# Altium PCB PCB1.PcbDoc (part 3 of 15) (continued)
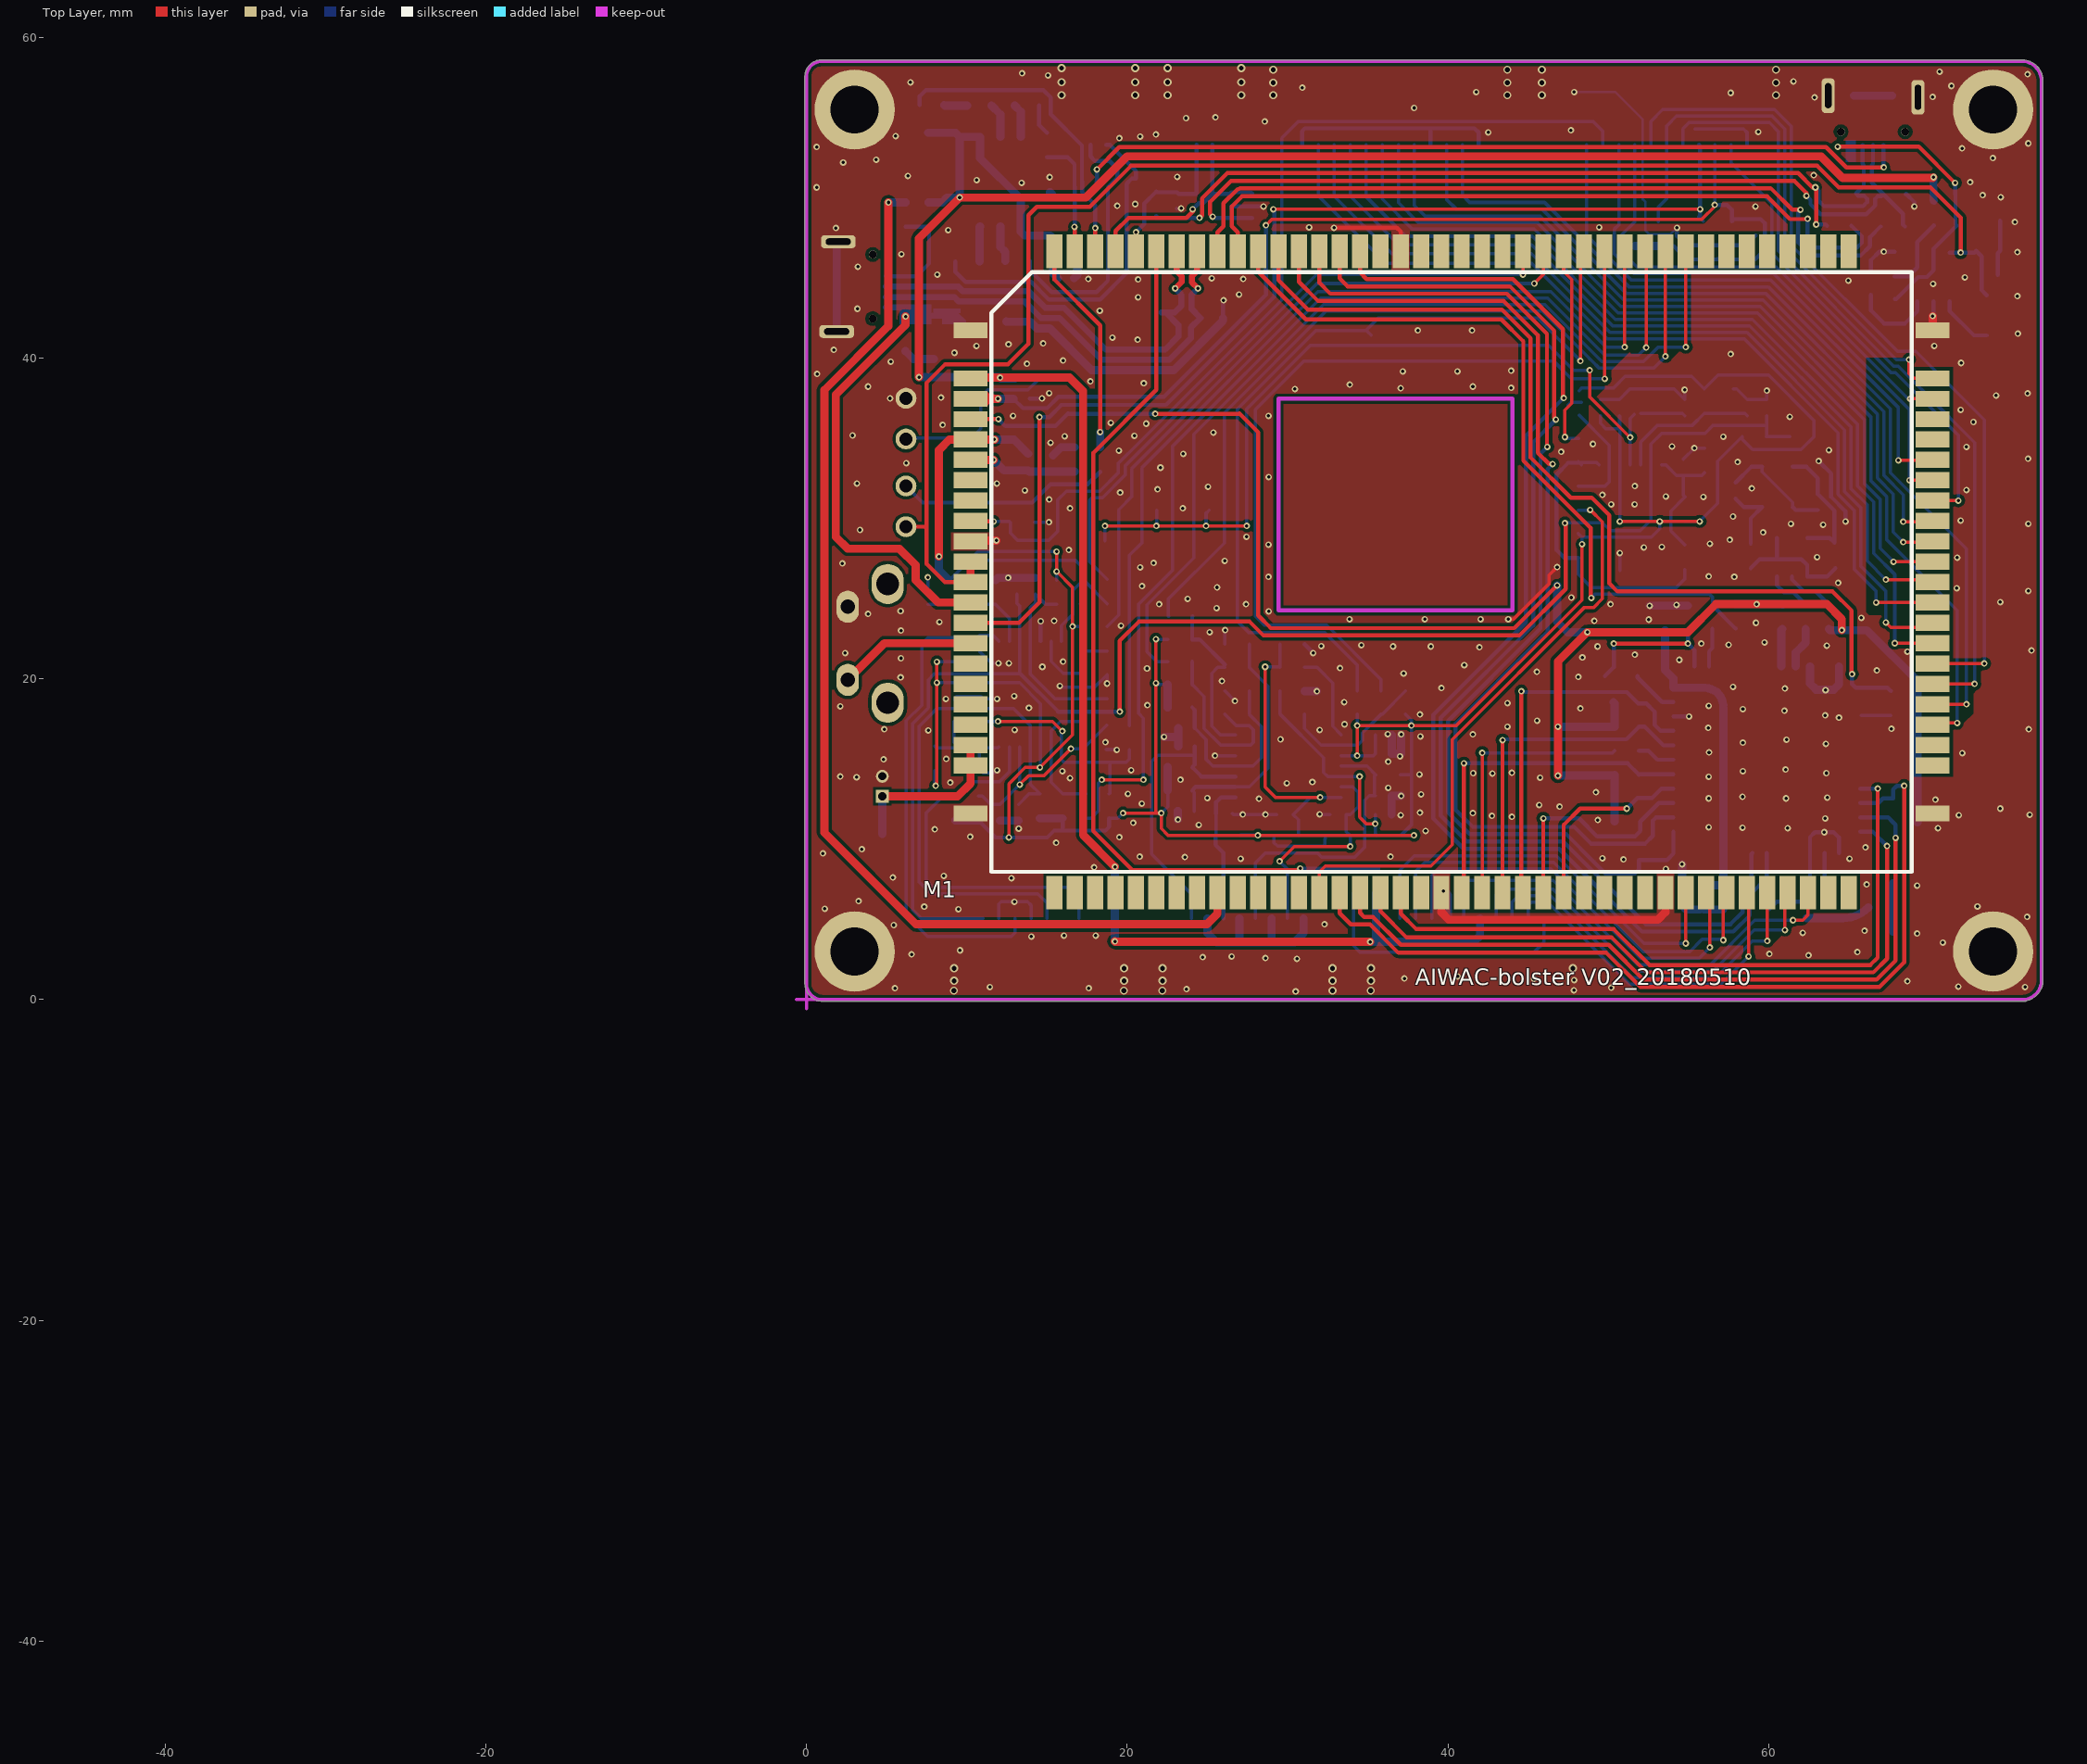
[diagram p0: Top Layer view]
## Free pads (board coordinates) (continued)
1(-45.257,-43.983) 1(-45.257,-43.983) 1(-45.256,-44.012) 1(-45.256,-44.012) 1(-45.256,-44.012) 1(-45.256,-44.012) 1(-45.256,-44.012) 1(-45.256,-44.012) 1(-45.256,-44.01) 1(-45.256,-44.01) 1(-45.256,-44.01) 1(-45.256,-44.01) 1(-45.256,-44.01) 1(-45.256,-44.01) 1(-45.256,-44.015) 1(-45.256,-44.015) 1(-45.256,-44.015) 1(-45.256,-44.015) 1(-45.256,-44.015) 1(-45.256,-44.015) 1(-45.256,-44.014) 1(-45.256,-44.014) 1(-45.256,-44.014) 1(-45.256,-44.014) 1(-45.256,-44.014) 1(-45.256,-44.014) 1(-45.256,-44.008) 1(-45.256,-44.008) 1(-45.256,-44.008) 1(-45.256,-44.008) 1(-45.256,-44.008) 1(-45.256,-44.008) 1(-45.256,-44.007) 1(-45.256,-44.007) 1(-45.256,-44.007) 1(-45.256,-44.007) 1(-45.256,-44.007) 1(-45.256,-44.007) 1(-45.256,-44.006) 1(-45.256,-44.006) 1(-45.256,-44.006) 1(-45.256,-44.006) 1(-45.256,-44.006) 1(-45.256,-44.006) 1(-45.256,-44.005) 1(-45.256,-44.005) 1(-45.256,-44.005) 1(-45.256,-44.005) 1(-45.256,-44.005) 1(-45.256,-44.005) 1(-45.251,-43.967) 1(-45.251,-43.967) 1(-45.251,-43.967) 1(-45.251,-43.971) 1(-45.251,-43.971) 1(-45.251,-43.971) 1(-45.25,-43.971) 1(-45.25,-43.971) 1(-45.25,-43.971) 1(-45.25,-43.971) 1(-45.25,-43.971) 1(-45.25,-43.971) 1(-45.25,-43.97) 1(-45.25,-43.97) 1(-45.25,-43.97) 1(-45.248,-43.971) 1(-45.248,-43.971) 1(-45.248,-43.971) 1(-45.248,-43.971) 1(-45.248,-43.971) 1(-45.248,-43.971) 1(-45.248,-43.97) 1(-45.248,-43.97) 1(-45.248,-43.97) 1(-45.247,-44.02) 1(-45.247,-44.02) 1(-45.247,-44.02) 1(-45.247,-43.971) 1(-45.247,-43.971) 1(-45.247,-43.971) 1(-45.246,-44.022) 1(-45.246,-44.022) 1(-45.246,-44.022) 1(-45.246,-44.02) 1(-45.246,-44.02) 1(-45.246,-44.02) 1(-45.246,-44.02) 1(-45.246,-44.02) 1(-45.246,-44.02) 1(-45.246,-43.998) 1(-45.246,-43.998) 1(-45.246,-43.998) 1(-45.246,-43.998) 1(-45.246,-43.998) 1(-45.246,-43.998) 1(-45.246,-43.997) 1(-45.246,-43.997) 1(-45.246,-43.997) 1(-45.246,-43.996) 1(-45.246,-43.996) 1(-45.246,-43.996) 1(-45.246,-43.995) 1(-45.246,-43.995) 1(-45.246,-43.995) 1(-45.246,-43.995) 1(-45.246,-43.995) 1(-45.246,-43.995) 1(-45.246,-43.995) 1(-45.246,-43.995) 1(-45.246,-43.995) 1(-45.246,-43.995) 1(-45.246,-43.995) 1(-45.246,-43.995) 1(-45.246,-43.994) 1(-45.246,-43.994) 1(-45.246,-43.994) 1(-45.246,-43.993) 1(-45.246,-43.993) 1(-45.246,-43.993) 1(-45.246,-43.992) 1(-45.246,-43.992) 1(-45.246,-43.992) 1(-45.246,-43.992) 1(-45.246,-43.992) 1(-45.246,-43.992) 1(-45.246,-43.992) 1(-45.246,-43.992) 1(-45.246,-43.992) 1(-45.246,-43.992) 1(-45.246,-43.992) 1(-45.246,-43.992) 1(-45.246,-43.991) 1(-45.246,-43.991) 1(-45.246,-43.991) 1(-45.246,-43.99) 1(-45.246,-43.99) 1(-45.246,-43.99) 1(-45.246,-43.989) 1(-45.246,-43.989) 1(-45.246,-43.989) 1(-45.246,-43.989) 1(-45.246,-43.989) 1(-45.246,-43.989) 1(-45.246,-43.989) 1(-45.246,-43.989) 1(-45.246,-43.989) 1(-45.246,-43.989) 1(-45.246,-43.989) 1(-45.246,-43.989) 1(-45.246,-43.988) 1(-45.246,-43.988) 1(-45.246,-43.988) 1(-45.246,-43.987) 1(-45.246,-43.987) 1(-45.246,-43.987) 1(-45.246,-43.986) 1(-45.246,-43.986) 1(-45.246,-43.986) 1(-45.246,-43.986) 1(-45.246,-43.986) 1(-45.246,-43.986) 1(-45.245,-43.998) 1(-45.245,-43.998) 1(-45.245,-43.998) 1(-45.245,-43.998) 1(-45.245,-43.998) 1(-45.245,-43.998) 1(-45.245,-43.997) 1(-45.245,-43.997) 1(-45.245,-43.997) 1(-45.245,-43.996) 1(-45.245,-43.996) 1(-45.245,-43.996) 1(-45.245,-43.995) 1(-45.245,-43.995) 1(-45.245,-43.995) 1(-45.245,-43.995) 1(-45.245,-43.995) 1(-45.245,-43.995) 1(-45.245,-43.995) 1(-45.245,-43.995) 1(-45.245,-43.995) 1(-45.245,-43.995) 1(-45.245,-43.995) 1(-45.245,-43.995) 1(-45.245,-43.994) 1(-45.245,-43.994) 1(-45.245,-43.994) 1(-45.245,-43.993) 1(-45.245,-43.993) 1(-45.245,-43.993) 1(-45.245,-43.992) 1(-45.245,-43.992) 1(-45.245,-43.992) 1(-45.245,-43.992) 1(-45.245,-43.992) 1(-45.245,-43.992) 1(-45.245,-43.992) 1(-45.245,-43.992) 1(-45.245,-43.992) 1(-45.245,-43.992) 1(-45.245,-43.992) 1(-45.245,-43.992) 1(-45.245,-43.991) 1(-45.245,-43.991) 1(-45.245,-43.991) 1(-45.245,-43.99) 1(-45.245,-43.99) 1(-45.245,-43.99) 1(-45.245,-43.989) 1(-45.245,-43.989) 1(-45.245,-43.989) 1(-45.245,-43.989) 1(-45.245,-43.989) 1(-45.245,-43.989) 1(-45.245,-43.989) 1(-45.245,-43.989) 1(-45.245,-43.989) 1(-45.245,-43.989) 1(-45.245,-43.989) 1(-45.245,-43.989) 1(-45.245,-43.988) 1(-45.245,-43.988) 1(-45.245,-43.988) 1(-45.245,-43.987) 1(-45.245,-43.987) 1(-45.245,-43.987) 1(-45.245,-43.986) 1(-45.245,-43.986) 1(-45.245,-43.986) 1(-45.245,-43.986) 1(-45.245,-43.986) 1(-45.245,-43.986) 1(-45.245,-44.006) 1(-45.245,-44.006) 1(-45.245,-44.006) 1(-45.245,-44.004) 1(-45.245,-44.004) 1(-45.245,-44.004) 1(-45.245,-43.997) 1(-45.245,-43.997) 1(-45.245,-43.997) 1(-45.245,-43.997) 1(-45.245,-43.997) 1(-45.245,-43.997) 1(-45.245,-43.995) 1(-45.245,-43.995) 1(-45.245,-43.995) 1(-45.245,-43.994) 1(-45.245,-43.994) 1(-45.245,-43.994) 1(-45.245,-43.994) 1(-45.245,-43.994) 1(-45.245,-43.994) 1(-45.245,-43.993) 1(-45.245,-43.993) 1(-45.245,-43.993) 1(-45.245,-43.993) 1(-45.245,-43.993) 1(-45.245,-43.993) 1(-45.245,-43.995) 1(-45.245,-43.995) 1(-45.245,-43.995) 1(-45.244,-43.987) 1(-45.244,-43.987) 1(-45.244,-43.987) 1(-45.244,-43.987) 1(-45.244,-43.987) 1(-45.244,-43.987) 1(-45.244,-43.987) 1(-45.244,-43.987) 1(-45.244,-43.987) 1(-45.244,-43.987) 1(-45.244,-43.987) 1(-45.244,-43.987) 1(-45.244,-44.017) 1(-45.244,-44.017) 1(-45.244,-44.017) 1(-45.244,-44.017) 1(-45.244,-44.017) 1(-45.244,-44.017) 1(-45.244,-44.016) 1(-45.244,-44.016) 1(-45.244,-44.016) 1(-45.244,-44.016) 1(-45.244,-44.016) 1(-45.244,-44.016) 1(-45.244,-44.014) 1(-45.244,-44.014) 1(-45.244,-44.014) 1(-45.244,-44.014) 1(-45.244,-44.014) 1(-45.244,-44.014) 1(-45.244,-44.013) 1(-45.244,-44.013) 1(-45.244,-44.013) 1(-45.244,-44.013) 1(-45.244,-44.013) 1(-45.244,-44.013) 1(-45.244,-44.013) 1(-45.244,-44.013) 1(-45.244,-44.013) 1(-45.244,-44.013) 1(-45.244,-44.013) 1(-45.244,-44.013) 1(-45.244,-44.012) 1(-45.244,-44.012) 1(-45.244,-44.012) 1(-45.244,-44.012) 1(-45.244,-44.012) 1(-45.244,-44.012) 1(-45.244,-44.012) 1(-45.244,-44.012) 1(-45.244,-44.012) 1(-45.244,-44.012) 1(-45.244,-44.012) 1(-45.244,-44.012) 1(-45.244,-44.01) 1(-45.244,-44.01) 1(-45.244,-44.01) 1(-45.244,-44.01) 1(-45.244,-44.01) 1(-45.244,-44.01) 1(-45.244,-44.01) 1(-45.244,-44.01) 1(-45.244,-44.01) 1(-45.244,-44.01) 1(-45.244,-44.01) 1(-45.244,-44.01) 1(-45.244,-44.009) 1(-45.244,-44.009) 1(-45.244,-44.009) 1(-45.244,-44.009) 1(-45.244,-44.009) 1(-45.244,-44.009) 1(-45.244,-44.009) 1(-45.244,-44.009) 1(-45.244,-44.009) 1(-45.244,-44.009) 1(-45.244,-44.009) 1(-45.244,-44.009) 1(-45.244,-44.007) 1(-45.244,-44.007) 1(-45.244,-44.007) 1(-45.244,-44.007) 1(-45.244,-44.007) 1(-45.244,-44.007) 1(-45.244,-44.007) 1(-45.244,-44.007) 1(-45.244,-44.007) 1(-45.244,-44.007) 1(-45.244,-44.007) 1(-45.244,-44.007) 1(-45.244,-44.006) 1(-45.244,-44.006) 1(-45.244,-44.006) 1(-45.244,-44.006) 1(-45.244,-44.006) 1(-45.244,-44.006) 1(-45.244,-43.987) 1(-45.244,-43.987) 1(-45.244,-43.987) 1(-45.244,-43.987) 1(-45.244,-43.987) 1(-45.244,-43.987) 1(-45.243,-44.006) 1(-45.243,-44.006) 1(-45.243,-44.006) 1(-45.243,-44.006) 1(-45.243,-44.006) 1(-45.243,-44.006) 1(-45.243,-44.004) 1(-45.243,-44.004) 1(-45.243,-44.004) 1(-45.243,-44.004) 1(-45.243,-44.004) 1(-45.243,-44.004) 1(-45.243,-43.989) 1(-45.243,-43.989) 1(-45.243,-43.989) 1(-45.243,-43.989) 1(-45.243,-43.989) 1(-45.243,-43.989) 1(-45.243,-44.017) 1(-45.243,-44.017) 1(-45.243,-44.017) 1(-45.243,-44.016) 1(-45.243,-44.016) 1(-45.243,-44.016) 1(-45.243,-44.014) 1(-45.243,-44.014) 1(-45.243,-44.014) 1(-45.243,-44.013) 1(-45.243,-44.013) 1(-45.243,-44.013) 1(-45.243,-44.013) 1(-45.243,-44.013) 1(-45.243,-44.013) 1(-45.243,-44.012) 1(-45.243,-44.012) 1(-45.243,-44.012) 1(-45.243,-44.012) 1(-45.243,-44.012) 1(-45.243,-44.012) 1(-45.243,-44.01) 1(-45.243,-44.01) 1(-45.243,-44.01) 1(-45.243,-44.01) 1(-45.243,-44.01) 1(-45.243,-44.01) 1(-45.243,-44.009) 1(-45.243,-44.009) 1(-45.243,-44.009) 1(-45.243,-44.009) 1(-45.243,-44.009) 1(-45.243,-44.009) 1(-45.243,-44.007) 1(-45.243,-44.007) 1(-45.243,-44.007) 1(-45.243,-44.007) 1(-45.243,-44.007) 1(-45.243,-44.007) 1(-45.243,-44.006) 1(-45.243,-44.006) 1(-45.243,-44.006) 1(-45.243,-43.989) 1(-45.243,-43.989) 1(-45.243,-43.989) 1(-45.243,-43.989) 1(-45.243,-43.989) 1(-45.243,-43.989) 1(-45.243,-43.989) 1(-45.243,-43.989) 1(-45.243,-43.989) 1(-45.243,-43.989) 1(-45.243,-43.989) 1(-45.243,-43.989) 1(-45.243,-43.979) 1(-45.243,-43.979) 1(-45.243,-43.979) 1(-45.243,-43.979) 1(-45.243,-43.979) 1(-45.243,-43.979) 1(-45.243,-43.978) 1(-45.243,-43.978) 1(-45.243,-43.978) 1(-45.243,-43.977) 1(-45.243,-43.977) 1(-45.243,-43.977) 1(-45.243,-43.976) 1(-45.243,-43.976) 1(-45.243,-43.976) 1(-45.243,-43.976) 1(-45.243,-43.976) 1(-45.243,-43.976) 1(-45.242,-43.989) 1(-45.242,-43.989) 1(-45.242,-43.989) 1(-45.242,-43.989) 1(-45.242,-43.989) 1(-45.242,-43.989) 1(-45.242,-43.988) 1(-45.242,-43.988) 1(-45.242,-43.988) 1(-45.242,-43.987) 1(-45.242,-43.987) 1(-45.242,-43.987) 1(-45.242,-43.986) 1(-45.242,-43.986) 1(-45.242,-43.986) 1(-45.242,-43.986) 1(-45.242,-43.986) 1(-45.242,-43.986) 1(-45.242,-44.017) 1(-45.242,-44.017) 1(-45.242,-44.017) 1(-45.242,-44.016) 1(-45.242,-44.016) 1(-45.242,-44.016) 1(-45.242,-44.014) 1(-45.242,-44.014) 1(-45.242,-44.014) 1(-45.242,-44.013) 1(-45.242,-44.013) 1(-45.242,-44.013) 1(-45.242,-44.013) 1(-45.242,-44.013) 1(-45.242,-44.013) 1(-45.242,-44.012) 1(-45.242,-44.012) 1(-45.242,-44.012) 1(-45.242,-44.012) 1(-45.242,-44.012) 1(-45.242,-44.012) 1(-45.242,-44.01) 1(-45.242,-44.01) 1(-45.242,-44.01) 1(-45.242,-44.01) 1(-45.242,-44.01) 1(-45.242,-44.01) 1(-45.242,-44.009) 1(-45.242,-44.009) 1(-45.242,-44.009) 1(-45.242,-44.009) 1(-45.242,-44.009) 1(-45.242,-44.009) 1(-45.242,-44.007) 1(-45.242,-44.007) 1(-45.242,-44.007) 1(-45.242,-44.007) 1(-45.242,-44.007) 1(-45.242,-44.007) 1(-45.242,-44.006) 1(-45.242,-44.006) 1(-45.242,-44.006) 1(-45.241,-43.979) 1(-45.241,-43.979) 1(-45.241,-43.979) 1(-45.241,-43.979) 1(-45.241,-43.979) 1(-45.241,-43.979) 1(-45.241,-43.978) 1(-45.241,-43.978) 1(-45.241,-43.978) 1(-45.241,-43.977) 1(-45.241,-43.977) 1(-45.241,-43.977) 1(-45.241,-43.976) 1(-45.241,-43.976) 1(-45.241,-43.976) 1(-45.241,-43.976) 1(-45.241,-43.976) 1(-45.241,-43.976) 1(-45.241,-43.979) 1(-45.241,-43.979) 1(-45.241,-43.979) 1(-45.241,-43.979) 1(-45.241,-43.979) 1(-45.241,-43.979) 1(-45.241,-43.978) 1(-45.241,-43.978) 1(-45.241,-43.978) 1(-45.241,-43.977) 1(-45.241,-43.977) 1(-45.241,-43.977) 1(-45.241,-43.976) 1(-45.241,-43.976) 1(-45.241,-43.976) 1(-45.241,-43.976) 1(-45.241,-43.976) 1(-45.241,-43.976) 1(-45.241,-44.017) 1(-45.241,-44.017) 1(-45.241,-44.017) 1(-45.241,-44.017) 1(-45.241,-44.017) 1(-45.241,-44.017) 1(-45.241,-44.016) 1(-45.241,-44.016) 1(-45.241,-44.016) 1(-45.241,-44.016) 1(-45.241,-44.016) 1(-45.241,-44.016) 1(-45.241,-44.014) 1(-45.241,-44.014) 1(-45.241,-44.014) 1(-45.241,-44.014) 1(-45.241,-44.014) 1(-45.241,-44.014) 1(-45.241,-44.013) 1(-45.241,-44.013) 1(-45.241,-44.013) 1(-45.241,-44.013) 1(-45.241,-44.013) 1(-45.241,-44.013) 1(-45.241,-44.013) 1(-45.241,-44.013) 1(-45.241,-44.013) 1(-45.241,-44.013) 1(-45.241,-44.013) 1(-45.241,-44.013) 1(-45.241,-44.012) 1(-45.241,-44.012) 1(-45.241,-44.012) 1(-45.241,-44.012) 1(-45.241,-44.012) 1(-45.241,-44.012) 1(-45.241,-44.012) 1(-45.241,-44.012) 1(-45.241,-44.012) 1(-45.241,-44.012) 1(-45.241,-44.012) 1(-45.241,-44.012) 1(-45.241,-44.01) 1(-45.241,-44.01) 1(-45.241,-44.01) 1(-45.241,-44.01) 1(-45.241,-44.01) 1(-45.241,-44.01) 1(-45.241,-44.01) 1(-45.241,-44.01) 1(-45.241,-44.01) 1(-45.241,-44.01) 1(-45.241,-44.01) 1(-45.241,-44.01) 1(-45.241,-44.009) 1(-45.241,-44.009) 1(-45.241,-44.009) 1(-45.241,-44.009) 1(-45.241,-44.009) 1(-45.241,-44.009) 1(-45.241,-44.009) 1(-45.241,-44.009) 1(-45.241,-44.009) 1(-45.241,-44.009) 1(-45.241,-44.009) 1(-45.241,-44.009) 1(-45.241,-44.007) 1(-45.241,-44.007) 1(-45.241,-44.007) 1(-45.241,-44.007) 1(-45.241,-44.007) 1(-45.241,-44.007) 1(-45.241,-44.007) 1(-45.241,-44.007) 1(-45.241,-44.007) 1(-45.241,-44.007) 1(-45.241,-44.007) 1(-45.241,-44.007) 1(-45.241,-44.006) 1(-45.241,-44.006) 1(-45.241,-44.006) 1(-45.241,-44.006) 1(-45.241,-44.006) 1(-45.241,-44.006) 1(-45.241,-44.006) 1(-45.241,-44.006) 1(-45.241,-44.006) 1(-45.241,-44.004) 1(-45.241,-44.004) 1(-45.241,-44.004) 1(-45.241,-43.989) 1(-45.241,-43.989) 1(-45.241,-43.989) 1(-45.241,-43.989) 1(-45.241,-43.989) 1(-45.241,-43.989) 1(-45.241,-43.988) 1(-45.241,-43.988) 1(-45.241,-43.988) 1(-45.241,-43.987) 1(-45.241,-43.987) 1(-45.241,-43.987) 1(-45.241,-43.986) 1(-45.241,-43.986) 1(-45.241,-43.986) 1(-45.241,-43.986) 1(-45.241,-43.986) 1(-45.241,-43.986) 1(-45.241,-43.989) 1(-45.241,-43.989) 1(-45.241,-43.989) 1(-45.241,-43.989) 1(-45.241,-43.989) 1(-45.241,-43.989) 1(-45.241,-43.988) 1(-45.241,-43.988) 1(-45.241,-43.988) 1(-45.241,-43.987) 1(-45.241,-43.987) 1(-45.241,-43.987) 1(-45.241,-43.986) 1(-45.241,-43.986) 1(-45.241,-43.986) 1(-45.241,-43.986) 1(-45.241,-43.986) 1(-45.241,-43.986) 1(-45.241,-43.986) 1(-45.241,-43.986) 1(-45.241,-43.986) 1(-45.241,-44.002) 1(-45.241,-44.002) 1(-45.241,-44.002) 1(-45.241,-44.002) 1(-45.241,-44.002) 1(-45.241,-44.002) 1(-45.241,-44.002) 1(-45.241,-44.002) 1(-45.241,-44.002) 1(-45.24,-44.016) 1(-45.24,-44.016) 1(-45.24,-44.016) 1(-45.24,-44.016) 1(-45.24,-44.016) 1(-45.24,-44.016) 1(-45.24,-44.015) 1(-45.24,-44.015) 1(-45.24,-44.015) 1(-45.24,-43.997) 1(-45.24,-43.997) 1(-45.24,-43.997) 1(-45.24,-43.997) 1(-45.24,-43.997) 1(-45.24,-43.997) 1(-45.24,-43.993) 1(-45.24,-43.993) 1(-45.24,-43.993) 1(-45.24,-43.993) 1(-45.24,-43.993) 1(-45.24,-43.993) 1(-45.24,-43.979) 1(-45.24,-43.979) 1(-45.24,-43.979) 1(-45.24,-43.979) 1(-45.24,-43.979) 1(-45.24,-43.979) 1(-45.24,-43.978) 1(-45.24,-43.978) 1(-45.24,-43.978) 1(-45.24,-43.977) 1(-45.24,-43.977) 1(-45.24,-43.977) 1(-45.24,-43.976) 1(-45.24,-43.976) 1(-45.24,-43.976) 1(-45.24,-43.976) 1(-45.24,-43.976) 1(-45.24,-43.976) 1(-45.24,-43.999) 1(-45.24,-43.999) 1(-45.24,-43.999) 1(-45.24,-43.999) 1(-45.24,-43.999) 1(-45.24,-43.999) 1(-45.24,-43.993) 1(-45.24,-43.993) 1(-45.24,-43.993) 1(-45.24,-43.993) 1(-45.24,-43.993) 1(-45.24,-43.993) 1(-45.24,-43.989) 1(-45.24,-43.989) 1(-45.24,-43.989) 1(-45.24,-43.989) 1(-45.24,-43.989) 1(-45.24,-43.989) 1(-45.24,-43.999) 1(-45.24,-43.999) 1(-45.24,-43.999) 1(-45.24,-43.999) 1(-45.24,-43.999) 1(-45.24,-43.999) 1(-45.24,-43.989) 1(-45.24,-43.989) 1(-45.24,-43.989) 1(-45.24,-43.989) 1(-45.24,-43.989) 1(-45.24,-43.989) 1(-45.24,-43.988) 1(-45.24,-43.988) 1(-45.24,-43.988) 1(-45.24,-43.987) 1(-45.24,-43.987) 1(-45.24,-43.987) 1(-45.24,-43.986) 1(-45.24,-43.986) 1(-45.24,-43.986) 1(-45.24,-43.986) 1(-45.24,-43.986) 1(-45.24,-43.986) 1(-45.24,-43.986) 1(-45.24,-43.986) 1(-45.24,-43.986) 1(-45.24,-43.999) 1(-45.24,-43.999) 1(-45.24,-43.999) 1(-45.24,-43.999) 1(-45.24,-43.999) 1(-45.24,-43.999) 1(-45.24,-43.998) 1(-45.24,-43.998) 1(-45.24,-43.998) 1(-45.24,-43.997) 1(-45.24,-43.997) 1(-45.24,-43.997) 1(-45.24,-43.996) 1(-45.24,-43.996) 1(-45.24,-43.996) 1(-45.24,-43.996) 1(-45.24,-43.996) 1(-45.24,-43.996) 1(-45.24,-43.996) 1(-45.24,-43.996) 1(-45.24,-43.996) 1(-45.24,-43.996) 1(-45.24,-43.996) 1(-45.24,-43.996) 1(-45.24,-43.995) 1(-45.24,-43.995) 1(-45.24,-43.995) 1(-45.24,-43.994) 1(-45.24,-43.994) 1(-45.24,-43.994) 1(-45.24,-43.993) 1(-45.24,-43.993) 1(-45.24,-43.993) 1(-45.24,-43.993) 1(-45.24,-43.993) 1(-45.24,-43.993) 1(-45.239,-44.002) 1(-45.239,-44.002) 1(-45.239,-44.002) 1(-45.239,-44.002) 1(-45.239,-44.002) 1(-45.239,-44.002) 1(-45.239,-44.002) 1(-45.239,-44.002) 1(-45.239,-44.002) 1(-45.239,-44.002) 1(-45.239,-44.002) 1(-45.239,-44.002) 1(-45.239,-44.002) 1(-45.239,-44.002) 1(-45.239,-44.002) 1(-45.239,-44.002) 1(-45.239,-44.002) 1(-45.239,-44.002) 1(-45.239,-43.991) 1(-45.239,-43.991) 1(-45.239,-43.991) 1(-45.239,-43.991) 1(-45.239,-43.991) 1(-45.239,-43.991) 1(-45.239,-43.989) 1(-45.239,-43.989) 1(-45.239,-43.989) 1(-45.239,-43.989) 1(-45.239,-43.989) 1(-45.239,-43.989) 1(-45.239,-43.991) 1(-45.239,-43.991) 1(-45.239,-43.991) 1(-45.239,-43.991) 1(-45.239,-43.991) 1(-45.239,-43.991) 1(-45.239,-44.016) 1(-45.239,-44.016) 1(-45.239,-44.016) 1(-45.239,-43.989) 1(-45.239,-43.989) 1(-45.239,-43.989) 1(-45.239,-43.989) 1(-45.239,-43.989) 1(-45.239,-43.989) 1(-45.239,-43.991) 1(-45.239,-43.991) 1(-45.239,-43.991) 1(-45.239,-43.991) 1(-45.239,-43.991) 1(-45.239,-43.991) 1(-45.239,-43.989) 1(-45.239,-43.989) 1(-45.239,-43.989) 1(-45.239,-43.989) 1(-45.239,-43.989) 1(-45.239,-43.989) 1(-45.239,-44.02) 1(-45.239,-44.02) 1(-45.239,-44.02) 1(-45.239,-44.02) 1(-45.239,-44.02) 1(-45.239,-44.02) 1(-45.239,-44.019) 1(-45.239,-44.019) 1(-45.239,-44.019) 1(-45.238,-43.989) 1(-45.238,-43.989) 1(-45.238,-43.989) 1(-45.238,-43.989) 1(-45.238,-43.989) 1(-45.238,-43.989) 1(-45.238,-43.988) 1(-45.238,-43.988) 1(-45.238,-43.988) 1(-45.238,-43.987) 1(-45.238,-43.987) 1(-45.238,-43.987) 1(-45.238,-43.986) 1(-45.238,-43.986) 1(-45.238,-43.986) 1(-45.238,-43.986) 1(-45.238,-43.986) 1(-45.238,-43.986) 1(-45.238,-43.993) 1(-45.238,-43.993) 1(-45.238,-43.993) 1(-45.238,-43.993) 1(-45.238,-43.993) 1(-45.238,-43.993) 1(-45.238,-43.992) 1(-45.238,-43.992) 1(-45.238,-43.992) 1(-45.238,-43.991) 1(-45.238,-43.991) 1(-45.238,-43.991) 1(-45.238,-43.99) 1(-45.238,-43.99) 1(-45.238,-43.99) 1(-45.238,-43.99) 1(-45.238,-43.99) 1(-45.238,-43.99) 1(-45.238,-43.999) 1(-45.238,-43.999) 1(-45.238,-43.999) 1(-45.238,-43.999) 1(-45.238,-43.999) 1(-45.238,-43.999) 1(-45.238,-43.998) 1(-45.238,-43.998) 1(-45.238,-43.998) 1(-45.238,-43.997) 1(-45.238,-43.997) 1(-45.238,-43.997) 1(-45.238,-43.996) 1(-45.238,-43.996) 1(-45.238,-43.996) 1(-45.238,-43.996) 1(-45.238,-43.996) 1(-45.238,-43.996) 1(-45.238,-43.996) 1(-45.238,-43.996) 1(-45.238,-43.996) 1(-45.238,-43.996) 1(-45.238,-43.996) 1(-45.238,-43.996) 1(-45.238,-43.995) 1(-45.238,-43.995) 1(-45.238,-43.995) 1(-45.238,-43.994) 1(-45.238,-43.994) 1(-45.238,-43.994) 1(-45.238,-43.993) 1(-45.238,-43.993) 1(-45.238,-43.993) 1(-45.238,-43.993) 1(-45.238,-43.993) 1(-45.238,-43.993) 1(-45.238,-44.002) 1(-45.238,-44.002) 1(-45.238,-44.002) 1(-45.238,-44.002) 1(-45.238,-44.002) 1(-45.238,-44.002) 1(-45.238,-44.002) 1(-45.238,-44.002) 1(-45.238,-44.002) 1(-45.238,-44.002) 1(-45.238,-44.002) 1(-45.238,-44.002) 1(-45.238,-44.002) 1(-45.238,-44.002) 1(-45.238,-44.002) 1(-45.238,-44.001) 1(-45.238,-44.001) 1(-45.238,-44.001) 1(-45.238,-44.001) 1(-45.238,-44.001) 1(-45.238,-44.001) 1(-45.238,-44) 1(-45.238,-44) 1(-45.238,-44) 1(-45.238,-44) 1(-45.238,-44) 1(-45.238,-44) 1(-45.237,-44.02) 1(-45.237,-44.02) 1(-45.237,-44.02) 1(-45.237,-44.02) 1(-45.237,-44.02) 1(-45.237,-44.02) 1(-45.237,-44.019) 1(-45.237,-44.019) 1(-45.237,-44.019) 1(-45.237,-44.02) 1(-45.237,-44.02) 1(-45.237,-44.02) 1(-45.237,-44.02) 1(-45.237,-44.02) 1(-45.237,-44.02) 1(-45.237,-44.019) 1(-45.237,-44.019) 1(-45.237,-44.019) 1(-45.237,-43.989) 1(-45.237,-43.989) 1(-45.237,-43.989) 1(-45.237,-43.989) 1(-45.237,-43.989) 1(-45.237,-43.989) 1(-45.237,-43.988) 1(-45.237,-43.988) 1(-45.237,-43.988) 1(-45.237,-43.987) 1(-45.237,-43.987) 1(-45.237,-43.987) 1(-45.237,-43.986) 1(-45.237,-43.986) 1(-45.237,-43.986) 1(-45.237,-43.986) 1(-45.237,-43.986) 1(-45.237,-43.986) 1(-45.237,-43.993) 1(-45.237,-43.993) 1(-45.237,-43.993) 1(-45.237,-43.993) 1(-45.237,-43.993) 1(-45.237,-43.993) 1(-45.237,-43.992) 1(-45.237,-43.992) 1(-45.237,-43.992) 1(-45.237,-43.991) 1(-45.237,-43.991) 1(-45.237,-43.991) 1(-45.237,-43.99) 1(-45.237,-43.99) 1(-45.237,-43.99) 1(-45.237,-43.99) 1(-45.237,-43.99) 1(-45.237,-43.99) 1(-45.237,-43.989) 1(-45.237,-43.989) 1(-45.237,-43.989) 1(-45.237,-43.989) 1(-45.237,-43.989) 1(-45.237,-43.989) 1(-45.237,-43.988) 1(-45.237,-43.988) 1(-45.237,-43.988) 1(-45.237,-43.987) 1(-45.237,-43.987) 1(-45.237,-43.987) 1(-45.237,-43.986) 1(-45.237,-43.986) 1(-45.237,-43.986) 1(-45.237,-43.986) 1(-45.237,-43.986) 1(-45.237,-43.986) 1(-45.237,-44.002) 1(-45.237,-44.002) 1(-45.237,-44.002) 1(-45.237,-44.002) 1(-45.237,-44.002) 1(-45.237,-44.002) 1(-45.237,-44.001) 1(-45.237,-44.001) 1(-45.237,-44.001) 1(-45.237,-44.001) 1(-45.237,-44.001) 1(-45.237,-44.001) 1(-45.237,-44) 1(-45.237,-44) 1(-45.237,-44) 1(-45.237,-44) 1(-45.237,-44) 1(-45.237,-44) 1(-45.236,-44.002) 1(-45.236,-44.002) 1(-45.236,-44.002) 1(-45.236,-44.002) 1(-45.236,-44.002) 1(-45.236,-44.002) 1(-45.236,-44.001) 1(-45.236,-44.001) 1(-45.236,-44.001) 1(-45.236,-44.001) 1(-45.236,-44.001) 1(-45.236,-44.001) 1(-45.236,-44) 1(-45.236,-44) 1(-45.236,-44) 1(-45.236,-44) 1(-45.236,-44) 1(-45.236,-44) 1(-45.236,-43.992) 1(-45.236,-43.992) 1(-45.236,-43.992) 1(-45.236,-43.992) 1(-45.236,-43.992) 1(-45.236,-43.992) 1(-45.236,-43.99) 1(-45.236,-43.99) 1(-45.236,-43.99) 1(-45.236,-43.99) 1(-45.236,-43.99) 1(-45.236,-43.99) 1(-45.236,-43.989) 1(-45.236,-43.989) 1(-45.236,-43.989) 1(-45.236,-43.989) 1(-45.236,-43.989) 1(-45.236,-43.989) 1(-45.236,-44.02) 1(-45.236,-44.02) 1(-45.236,-44.02) 1(-45.236,-44.02) 1(-45.236,-44.02) 1(-45.236,-44.02) 1(-45.236,-44.019) 1(-45.236,-44.019) 1(-45.236,-44.019) 1(-45.236,-43.992) 1(-45.236,-43.992) 1(-45.236,-43.992) 1(-45.236,-43.992) 1(-45.236,-43.992) 1(-45.236,-43.992) 1(-45.236,-43.989) 1(-45.236,-43.989) 1(-45.236,-43.989) 1(-45.236,-43.989) 1(-45.236,-43.989) 1(-45.236,-43.989) 1(-45.236,-43.988) 1(-45.236,-43.988) 1(-45.236,-43.988) 1(-45.236,-43.987) 1(-45.236,-43.987) 1(-45.236,-43.987) 1(-45.236,-43.986) 1(-45.236,-43.986) 1(-45.236,-43.986) 1(-45.236,-43.986) 1(-45.236,-43.986) 1(-45.236,-43.986) 1(-45.235,-43.992) 1(-45.235,-43.992) 1(-45.235,-43.992) 1(-45.235,-43.992) 1(-45.235,-43.992) 1(-45.235,-43.992) 1(-45.235,-43.999) 1(-45.235,-43.999) 1(-45.235,-43.999) 1(-45.235,-43.999) 1(-45.235,-43.999) 1(-45.235,-43.999) 1(-45.235,-43.998) 1(-45.235,-43.998) 1(-45.235,-43.998) 1(-45.235,-43.997) 1(-45.235,-43.997) 1(-45.235,-43.997) 1(-45.235,-43.996) 1(-45.235,-43.996) 1(-45.235,-43.996) 1(-45.235,-43.996) 1(-45.235,-43.996) 1(-45.235,-43.996) 1(-45.235,-43.995) 1(-45.235,-43.995) 1(-45.235,-43.995) 1(-45.235,-43.995) 1(-45.235,-43.995) 1(-45.235,-43.995) 1(-45.235,-43.987) 1(-45.235,-43.987) 1(-45.235,-43.987) 1(-45.235,-43.987) 1(-45.235,-43.987) 1(-45.235,-43.987) 1(-45.235,-43.987) 1(-45.235,-43.987) 1(-45.235,-43.987) 1(-45.235,-43.987) 1(-45.235,-43.987) 1(-45.235,-43.987) 1(-45.235,-44.002) 1(-45.235,-44.002) 1(-45.235,-44.002) 1(-45.235,-44.002) 1(-45.235,-44.002) 1(-45.235,-44.002) 1(-45.235,-44.001) 1(-45.235,-44.001) 1(-45.235,-44.001) 1(-45.235,-44.001) 1(-45.235,-44.001) 1(-45.235,-44.001) 1(-45.235,-44) 1(-45.235,-44) 1(-45.235,-44) 1(-45.235,-44) 1(-45.235,-44) 1(-45.235,-44) 1(-45.235,-43.995) 1(-45.235,-43.995) 1(-45.235,-43.995) 1(-45.235,-43.995) 1(-45.235,-43.995) 1(-45.235,-43.995) 1(-45.235,-43.991) 1(-45.235,-43.991) 1(-45.235,-43.991) 1(-45.235,-43.991) 1(-45.235,-43.991) 1(-45.235,-43.991) 1(-45.235,-43.99) 1(-45.235,-43.99) 1(-45.235,-43.99) 1(-45.235,-43.989) 1(-45.235,-43.989) 1(-45.235,-43.989) 1(-45.235,-43.987) 1(-45.235,-43.987) 1(-45.235,-43.987) 1(-45.235,-43.987) 1(-45.235,-43.987) 1(-45.235,-43.987) 1(-45.235,-43.978) 1(-45.235,-43.978) 1(-45.235,-43.978) 1(-45.235,-43.978) 1(-45.235,-43.978) 1(-45.235,-43.978) 1(-45.235,-43.967) 1(-45.235,-43.967) 1(-45.235,-43.967) 1(-45.234,-43.971) 1(-45.234,-43.971) 1(-45.234,-43.971) 1(-45.234,-43.978) 1(-45.234,-43.978) 1(-45.234,-43.978) 1(-45.234,-43.978) 1(-45.234,-43.978) 1(-45.234,-43.978) 1(-45.234,-44.02) 1(-45.234,-44.02) 1(-45.234,-44.02) 1(-45.234,-44.02) 1(-45.234,-44.02) 1(-45.234,-44.02) 1(-45.234,-44.019) 1(-45.234,-44.019) 1(-45.234,-44.019) 1(-45.234,-44.018) 1(-45.234,-44.018) 1(-45.234,-44.018) 1(-45.234,-44.017) 1(-45.234,-44.017) 1(-45.234,-44.017) 1(-45.234,-44.017) 1(-45.234,-44.017) 1(-45.234,-44.017) 1(-45.234,-43.978) 1(-45.234,-43.978) 1(-45.234,-43.978) 1(-45.234,-43.978) 1(-45.234,-43.978) 1(-45.234,-43.978) 1(-45.234,-43.99) 1(-45.234,-43.99) 1(-45.234,-43.99) 1(-45.234,-43.989) 1(-45.234,-43.989) 1(-45.234,-43.989) 1(-45.234,-43.999) 1(-45.234,-43.999) 1(-45.234,-43.999) 1(-45.234,-43.999) 1(-45.234,-43.999) 1(-45.234,-43.999) 1(-45.234,-43.998) 1(-45.234,-43.998) 1(-45.234,-43.998) 1(-45.234,-43.997) 1(-45.234,-43.997) 1(-45.234,-43.997) 1(-45.234,-43.996) 1(-45.234,-43.996) 1(-45.234,-43.996) 1(-45.234,-43.996) 1(-45.234,-43.996) 1(-45.234,-43.996) 1(-45.234,-43.989) 1(-45.234,-43.989) 1(-45.234,-43.989) 1(-45.234,-43.989) 1(-45.234,-43.989) 1(-45.234,-43.989) 1(-45.234,-43.999) 1(-45.234,-43.999) 1(-45.234,-43.999) 1(-45.234,-43.999) 1(-45.234,-43.999) 1(-45.234,-43.999) 1(-45.234,-43.998) 1(-45.234,-43.998) 1(-45.234,-43.998) 1(-45.234,-43.998) 1(-45.234,-43.998) 1(-45.234,-43.998) 1(-45.234,-43.997) 1(-45.234,-43.997) 1(-45.234,-43.997) 1(-45.234,-43.997) 1(-45.234,-43.997) 1(-45.234,-43.997) 1(-45.234,-43.995) 1(-45.234,-43.995) 1(-45.234,-43.995) 1(-45.234,-43.995) 1(-45.234,-43.995) 1(-45.234,-43.995) 1(-45.234,-43.995) 1(-45.234,-43.995) 1(-45.234,-43.995) 1(-45.234,-43.995) 1(-45.234,-43.995) 1(-45.234,-43.995) 1(-45.234,-43.989) 1(-45.234,-43.989) 1(-45.234,-43.989) 1(-45.234,-43.989) 1(-45.234,-43.989) 1(-45.234,-43.989) 1(-45.234,-43.989) 1(-45.234,-43.989) 1(-45.234,-43.989) 1(-45.234,-43.989) 1(-45.234,-43.989) 1(-45.234,-43.989) 1(-45.234,-43.971) 1(-45.234,-43.971) 1(-45.234,-43.971) 1(-45.234,-43.971) 1(-45.234,-43.971) 1(-45.234,-43.971) 1(-45.234,-43.97) 1(-45.234,-43.97) 1(-45.234,-43.97) 1(-45.233,-44.002) 1(-45.233,-44.002) 1(-45.233,-44.002) 1(-45.233,-44.002) 1(-45.233,-44.002) 1(-45.233,-44.002) 1(-45.233,-44.001) 1(-45.233,-44.001) 1(-45.233,-44.001) 1(-45.233,-44.001) 1(-45.233,-44.001) 1(-45.233,-44.001) 1(-45.233,-44) 1(-45.233,-44) 1(-45.233,-44) 1(-45.233,-44) 1(-45.233,-44) 1(-45.233,-44) 1(-45.233,-43.99) 1(-45.233,-43.99) 1(-45.233,-43.99) 1(-45.233,-43.99) 1(-45.233,-43.99) 1(-45.233,-43.99) 1(-45.233,-43.989) 1(-45.233,-43.989) 1(-45.233,-43.989) 1(-45.233,-43.989) 1(-45.233,-43.989) 1(-45.233,-43.989) 1(-45.233,-44.02) 1(-45.233,-44.02) 1(-45.233,-44.02) 1(-45.233,-44.02) 1(-45.233,-44.02) 1(-45.233,-44.02) 1(-45.233,-44.019) 1(-45.233,-44.019) 1(-45.233,-44.019) 1(-45.233,-44.018) 1(-45.233,-44.018) 1(-45.233,-44.018) 1(-45.233,-44.017) 1(-45.233,-44.017) 1(-45.233,-44.017) 1(-45.233,-44.017) 1(-45.233,-44.017) 1(-45.233,-44.017) 1(-45.233,-43.99) 1(-45.233,-43.99) 1(-45.233,-43.99) 1(-45.233,-43.99) 1(-45.233,-43.99) 1(-45.233,-43.99) 1(-45.233,-43.989) 1(-45.233,-43.989) 1(-45.233,-43.989) 1(-45.233,-43.989) 1(-45.233,-43.989) 1(-45.233,-43.989) 1(-45.232,-44.002) 1(-45.232,-44.002) 1(-45.232,-44.002) 1(-45.232,-44.002) 1(-45.232,-44.002) 1(-45.232,-44.002) 1(-45.232,-44.001) 1(-45.232,-44.001) 1(-45.232,-44.001) 1(-45.232,-44.001) 1(-45.232,-44.001) 1(-45.232,-44.001) 1(-45.232,-44) 1(-45.232,-44) 1(-45.232,-44) 1(-45.232,-44) 1(-45.232,-44) 1(-45.232,-44) 1(-45.232,-44.002) 1(-45.232,-44.002) 1(-45.232,-44.002) 1(-45.232,-44.002) 1(-45.232,-44.002) 1(-45.232,-44.002) 1(-45.232,-44.001) 1(-45.232,-44.001) 1(-45.232,-44.001) 1(-45.232,-44.001) 1(-45.232,-44.001) 1(-45.232,-44.001) 1(-45.232,-44) 1(-45.232,-44) 1(-45.232,-44) 1(-45.232,-44) 1(-45.232,-44) 1(-45.232,-44) 1(-45.232,-43.99) 1(-45.232,-43.99) 1(-45.232,-43.99) 1(-45.232,-43.989) 1(-45.232,-43.989) 1(-45.232,-43.989) 1(-45.232,-44.02) 1(-45.232,-44.02) 1(-45.232,-44.02) 1(-45.232,-44.02) 1(-45.232,-44.02) 1(-45.232,-44.02) 1(-45.231,-43.995) 1(-45.231,-43.995) 1(-45.231,-43.995) 1(-45.231,-43.995) 1(-45.231,-43.995) 1(-45.231,-43.995) 1(-45.231,-43.991) 1(-45.231,-43.991) 1(-45.231,-43.991) 1(-45.231,-43.991) 1(-45.231,-43.991) 1(-45.231,-43.991) 1(-45.231,-43.99) 1(-45.231,-43.99) 1(-45.231,-43.99) 1(-45.231,-43.989) 1(-45.231,-43.989) 1(-45.231,-43.989) 1(-45.231,-43.989) 1(-45.231,-43.989) 1(-45.231,-43.989) 1(-45.231,-43.989) 1(-45.231,-43.989) 1(-45.231,-43.989) 1(-45.231,-43.989) 1(-45.231,-43.989) 1(-45.231,-43.989) 1(-45.231,-43.988) 1(-45.231,-43.988) 1(-45.231,-43.988) 1(-45.231,-44.02) 1(-45.231,-44.02) 1(-45.231,-44.02) 1(-45.231,-44.02) 1(-45.231,-44.02) 1(-45.231,-44.02) 1(-45.231,-44.02) 1(-45.231,-44.02) 1(-45.231,-44.02) 1(-45.231,-44.02) 1(-45.231,-44.02) 1(-45.231,-44.02) 1(-45.231,-43.972) 1(-45.231,-43.972) 1(-45.231,-43.972) 1(-45.231,-43.972) 1(-45.231,-43.972) 1(-45.231,-43.972) 1(-45.231,-43.967)